# Altium PCB ZUM_Core_2.0.PcbDoc (part 2 of 2)
Units mm, origin at the board's own origin, x right, y up, seen from the top; angles counter-clockwise.
Board outline 70.83 x 53.34 mm, 2 copper layers (Top Layer, Bottom Layer), stack 1.55 mm thick; 130 components, 84 nets, 478 pads, 206 vias.
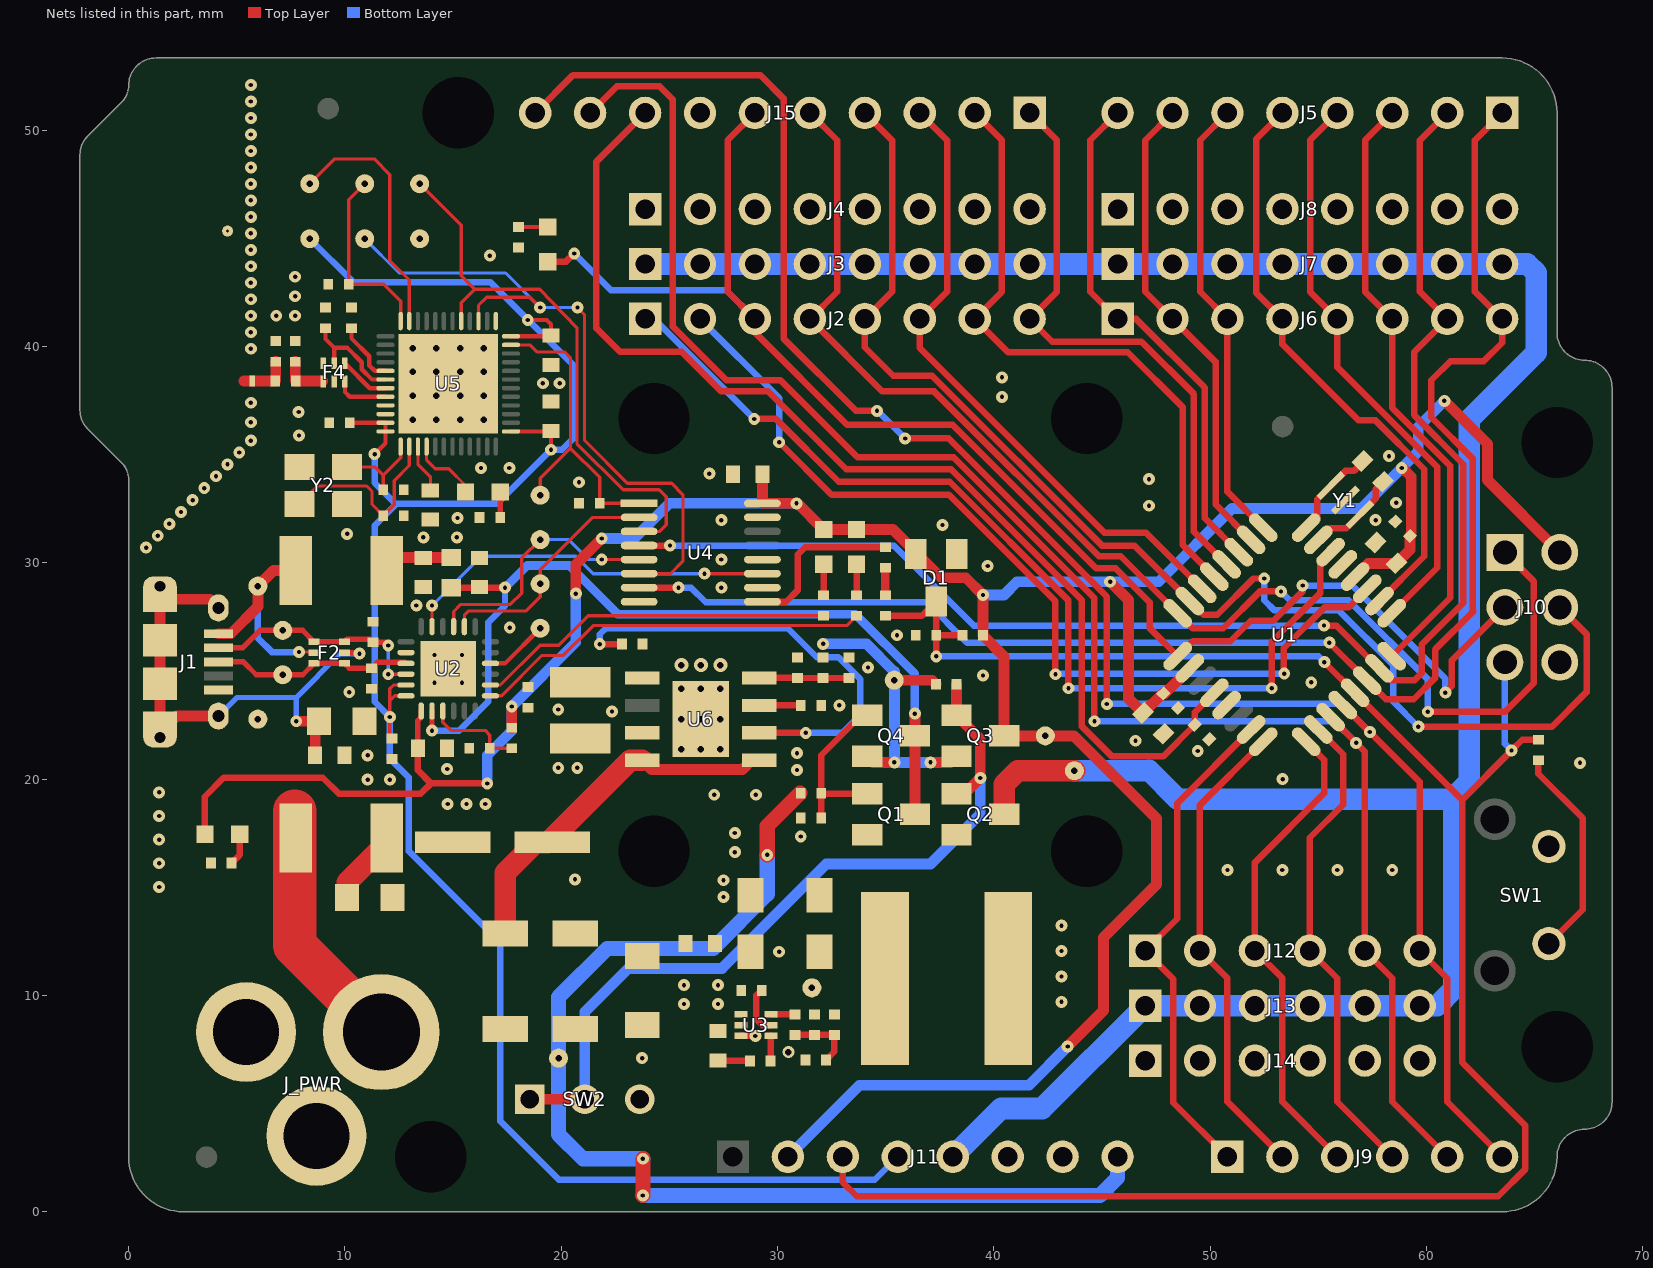
[diagram p2: the nets of this part, all layers, seen from the top]

## Part data
AE1: library part CMP-00336-2, "MIFA Antenna 2.45GHz", Description ES="Antena MIFA 2.45GHz"
C1 C2 C7 C8 C10 C17 C20 C21 C22 C26: library part CMP-00257-1, Capacitance=100nF, Dielectric=X7R, Manufacturer=Kemet, Manufacturer 2=AVX, Temp_ Max=125, Temp_ Min=-55, Tolerance=±10%, Voltage=50V, Description ES=Condensador, OrderingCode=C0603C104K5RAC, OrderingCode 2=06035C104KAT2A, Part Number=C0603_100nF_50V_±10%_X7R, Price units=EUR, SchLibComponentName=Capacitor
C3 C4 C5 C6 C9 C14: library part CMP-A0550-4, "C0402_2.2uF_16V_±20%_X5R", Capacitance=2,2µF, Dielectric=X5R, Manufacturer=TDK, Manufacturer 2="Taiyo Yuden", Part Number=C0402_2.2uF_16V_±10%, Temp_ Max=125, Temp_ Min=-55, Tolerance=±20%, Voltage=16V, AccessRights=2147483647, ComponentType=Capacitor, ContentType=Component, ContentTypeGUID=CB3C11C4-E317-11DF-B822-12313F0024A2, Description ES=Condensador, Folder="Components Library\Pasives\Capacitor_SMD\C0402_16V$\", FolderGUID=B1BE7916-43F7-4918-A273-F24409A7170B, ItemGUID=BD471B44-C1FF-4F80-85CC-AC0CC62DE9EE, ItemHRID=CMP-A0550, LifeCycle="New From Design", LifeCycleStateGUID=706004B5-C76E-482E-903B-BA0E4FAE086A, OrderingCode=C1005X5R1C225M050BC, OrderingCode 2=EMK105ABJ225MV-F, Price units=EUR, ReleaseDate="04/09/2017 08:02:11 AM", RevisionId=3, SchLibComponentName=Capacitor
C11 C12: library part CMP-A0572-2, Capacitance=47pF, Dielectric=C0G, Manufacturer=Kemet, Temp_ Max=125, Temp_ Min=-55, Tolerance=±10%, Voltage=16V, AccessRights=2147483647, ComponentType=Capacitor, ContentType=Component, ContentTypeGUID=CB3C11C4-E317-11DF-B822-12313F0024A2, Description ES=Condensador, Folder="Components Library\Pasives\Capacitor_SMD\C0402_16V$\", FolderGUID=B1BE7916-43F7-4918-A273-F24409A7170B, ItemGUID=BA17F97B-A8F2-4344-A89B-4AB43394B9E9, ItemHRID=CMP-A0572, LifeCycle="New From Design", LifeCycleStateGUID=706004B5-C76E-482E-903B-BA0E4FAE086A, OrderingCode=C0402C470K4GAC, Part Number=C0402_47pF_16V_±10%, Price units=EUR, ReleaseDate="19/02/2016 10:21:00 AM", RevisionId=1, SchLibComponentName=Capacitor
C13: library part CMP-00357-1, Capacitance=4,7nF, Dielectric=X7R, Manufacturer=Kemet, Manufacturer 2=Murata, Temp_ Max=125, Temp_ Min=-55, Tolerance=±10%, Voltage=250V, Description ES=Condensador, OrderingCode=C0805S472KARACTU, OrderingCode 2=GRM21AR72E472KW01D, Price units=EUR, SchLibComponentName=Capacitor
C15: library part CMP-A0371-1, Capacitance=1uF, Dielectric=X5R, Manufacturer=Kemet, Temp_ Max=125, Temp_ Min=-55, Tolerance=±10%, Voltage=25V, OrderingCode=C0603C105K3PAC, Part Number=C0603_1uF_25V_±10%, Price units=EUR, SchLibComponentName=Capacitor
C16 C27 C28: library part CMP-A0110-1, Capacitance=22uF, Dielectric=X5R, Manufacturer=Murata, Temp_ Max=85, Temp_ Min=-55, Tolerance=±10%, Voltage=25V, OrderingCode=GRM31CR61E226KE15L, Part Number=C1206_22uF_25V_±10%, Price units=EUR, SchLibComponentName=Capacitor
C18 C23: library part CMP-A0549-2, Capacitance=2,2nF, Dielectric=X7R, Manufacturer=Kemet, Temp_ Max=125, Temp_ Min=-55, Tolerance=±10%, Voltage=16V, AccessRights=2147483647, ComponentType=Capacitor, ContentType=Component, ContentTypeGUID=CB3C11C4-E317-11DF-B822-12313F0024A2, Description ES=Condensador, Folder="Components Library\Pasives\Capacitor_SMD\C0402_16V$\", FolderGUID=B1BE7916-43F7-4918-A273-F24409A7170B, ItemGUID=471CAD91-A991-4965-8D31-154961728350, ItemHRID=CMP-A0549, LifeCycle="New From Design", LifeCycleStateGUID=706004B5-C76E-482E-903B-BA0E4FAE086A, OrderingCode=C0402C222K4RAC, Part Number=C0402_2.2nF_16V_±10%, Price units=EUR, ReleaseDate="19/02/2016 10:20:28 AM", RevisionId=1, SchLibComponentName=Capacitor
C19: library part CMP-A0571-2, Capacitance=47nF, Dielectric=X7R, Manufacturer=Kemet, Temp_ Max=125, Temp_ Min=-55, Tolerance=±10%, Voltage=16V, AccessRights=2147483647, ComponentType=Capacitor, ContentType=Component, ContentTypeGUID=CB3C11C4-E317-11DF-B822-12313F0024A2, Description ES=Condensador, Folder="Components Library\Pasives\Capacitor_SMD\C0402_16V$\", FolderGUID=B1BE7916-43F7-4918-A273-F24409A7170B, ItemGUID=F44DF0E5-D5E0-4AC7-88A3-40CD5FCE7144, ItemHRID=CMP-A0571, LifeCycle="For Prototype", LifeCycleStateGUID=175FAE11-0700-4285-B1EB-BBB8F0F6EEBE, OrderingCode=C0402C473K4RAC, Part Number=C0402_47nF_16V_±10%, Price units=EUR, ReleaseDate="22/05/2017 04:17:24 PM", RevisionId=1, SchLibComponentName=Capacitor
C24 C25: library part CMP-A0540-2, Capacitance=12pF, Dielectric=C0G, Manufacturer=Kemet, Temp_ Max=125, Temp_ Min=-55, Tolerance=±10%, Voltage=16V, AccessRights=2147483647, ComponentType=Capacitor, ContentType=Component, ContentTypeGUID=CB3C11C4-E317-11DF-B822-12313F0024A2, Description ES=Condensador, Folder="Components Library\Pasives\Capacitor_SMD\C0402_16V$\", FolderGUID=B1BE7916-43F7-4918-A273-F24409A7170B, ItemGUID=BB1D80C7-7E3B-4A42-A51A-EC98606060E4, ItemHRID=CMP-A0540, LifeCycle="New From Design", LifeCycleStateGUID=706004B5-C76E-482E-903B-BA0E4FAE086A, OrderingCode=C0402C120K4GAC, Part Number=C0402_12pF_16V_±10%, Price units=EUR, ReleaseDate="19/02/2016 10:19:26 AM", RevisionId=1, SchLibComponentName=Capacitor
C29: library part CMP-A0549-1, Capacitance=2.2nF, Dielectric=X7R, Manufacturer=Kemet, Temp_ Max=125, Temp_ Min=-55, Tolerance=±10%, Voltage=16V, OrderingCode=C0402C222K4RAC, Part Number=C0402_2.2nF_16V_±10%, Price units=EUR, SchLibComponentName=Capacitor
C30: library part CMP-A2028-1, Capacitance=150uF, Manufacturer=Vishay, Temp_ Max=105, Temp_ Min=-55, Tolerance=±20%, Voltage=6V3, ESR=40m, OrderingCode=T55B157M6R3C0040, Part Number=150uF_6V3_±20%, Price units=EUR, SchLibComponentName=Tantalum
C31: library part CMP-A0618-1, Capacitance=100uF, Manufacturer=Panasonic, Temp_ Max=85, Temp_ Min=-40, Voltage=25V, OrderingCode=EEE-HA1E101XP, Part Number=Cap_Al_100uF_25V, Price units=EUR, SchLibComponentName=Electrolytic
C32: library part CMP-A0571-1, Capacitance=47nF, Dielectric=X7R, Manufacturer=Kemet, Temp_ Max=125, Temp_ Min=-55, Tolerance=±10%, Voltage=16V, OrderingCode=C0402C473K4RAC, Part Number=C0402_47nF_16V_±10%, Price units=EUR, SchLibComponentName=Capacitor
C33: library part CMP-A0475-1, Capacitance=100nF, Dielectric=X7R, Manufacturer=Kemet, Temp_ Max=125, Temp_ Min=-55, Tolerance=±10%, Voltage=6V3, OrderingCode=C0402C104K9RAC, Part Number=C0402_100nF_6V3_±10%, Price units=EUR, SchLibComponentName=Capacitor
C34: library part CMP-A0543-2, Capacitance=15pF, Dielectric=C0G, Manufacturer=Kemet, Part Number=C0402_15pF_16V_±10%, Temp_ Max=125, Temp_ Min=-55, Tolerance=±10%, Voltage=16V, Description ES=Condensador, OrderingCode=C0402C150K4GAC, Price units=EUR, SchLibComponentName=Capacitor
D1: library part CMP-A2299-1, "Schottky Diode", Manufacturer=NXP, Manufacturer 2=Vishay, Temp_Max=150, Temp_Min=-55, Description ES="Diodo Schottky", Ifor=200mA, Ifsm=600mA, OrderingCode=BAT54S, OrderingCode 2=BAT54S, Part Number=BAT54S, Price units=EUR, SchLibComponentName="Dual Schottky", Vf=0,8V, Vrrm=30V
D2 D6: library part CMP-A2309-1, "Schottky Diode", Manufacturer=NXP, Temp_Max=150, Temp_Min=-55, Description ES="Diodo Schottky", Ifor=3A, Ifsm=50A, OrderingCode=PMEG3030EP, Part Number=PMEG3030EP, Price units=EUR, SchLibComponentName=Schottky, Vf=0,36V, Vrrm=30V
D3 D4 TX: library part CMP-A2544-1, "LED", Manufacturer="Avago Technologies", Manufacturer 2="OSRAM Opto", Temp_ Max=85, Temp_ Min=-40, Description ES=LED, OrderingCode=HSMG-C190, OrderingCode 2="LG Q971-KN-1", Part Number=HSMG-C190, Price units=EUR, SchLibComponentName=LED
F1: library part CMP-A2427-2, "Resettable Fuses", Current=2.5A, Manufacturer="Bel Fuse", Manufacturer 2=Littelfuse, Manufacturer 3=Bourns, Part Number="FUSE 2.5A 16V", Temp_ Max=85, Temp_ Min=-40, Voltage=16V, Description ES="Fusible reseteable", OrderingCode=0ZCG0260BF2B, OrderingCode 2=MINISMDC260F/16-2, OrderingCode 3=MF-MSMF250/16X-2, Price units=EUR, SchLibComponentName=PTC_Fuse
F2: library part CMP-A2443-2, "TVS Diode Array", Manufacturer="Würth Elektronik", Manufacturer 2=Bourns, Temp_ Max=125, Temp_ Min=-40, Description ES="Array de diodos TVS", OrderingCode=82400152, OrderingCode 2=CDSOT563-0502, Part Number="USB ESD Single", Price units=EUR, SchLibComponentName=ESDUSB, Supplier="Würth Elektronik"
F3: library part CMP-A2421-1, "Resettable Fuses", Current=0.5A, Manufacturer=Bourns, Temp_ Max=85, Temp_ Min=-40, Voltage=15V, Description ES="Fusible reseteable", OrderingCode=MF-MSMF050-2, Part Number="FUSE 0.5A 15V", Price units=EUR, SchLibComponentName=PTC_Fuse
F4: library part CMP-00293-2, "2.45GHz Impedance Matched Balun + Band Pass Filter", Manufacturer=Johanson, Temp_ Max=105, Temp_ Min=-40, Description ES="2.45GHz Adaptación de impedancia y filtro pasa banda", OrderingCode=2450BM14E0003, Part Number=2450BM14E0003
FD1 FD2 FD3: library part CMP-A2525-2, "Fiducial", Description ES="Marca fiducial", Part Number="Fiducial 1mm", SchLibComponentName=Fiducial
GND P0.09 P0.11 SWDCLK SWDIO TP2 TP3 TP4 USB_RX USB_TX VCC VDC Vpp: library part CMP-A2499-3, "Testpoint 0.3mm", Manufacturer=Oxley, OrderingCode=SMOX/060/B1, Part Number=TP_POWER, Price units=EUR, SAP=303552, SchLibComponentName=Testpoint
J1: library part CMP-A2224-4, Manufacturer=FCI, Temp_ Max=105, Temp_ Min=-40, Description ES=Conector, OrderingCode=10118194-0001LF, Part Number="Micro USB Type B W/ Rear Pegs", Price units=EUR, SchLibComponentName=USB_Micro_Type_B
J2: library part CMP-A2144-1, "Connector", Manufacturer=Samtec, Temp_ Max=105, Temp_ Min=-55, Description ES=Conector, OrderingCode=TSW-108-07-T-S-NATURAL, Part Number="CON_PH_THT2.54_8 Natural", Pitch=2.54mm, Price units=EUR, SchLibComponentName="1x8 pin Header 2.54mm"
J3: library part CMP-A2145-1, "Connector", Manufacturer=Samtec, Temp_ Max=105, Temp_ Min=-55, Description ES=Conector, OrderingCode=TSW-108-07-T-S-RED, Part Number="CON_PH_THT2.54_8 Red", Pitch=2.54mm, Price units=EUR, SchLibComponentName="1x8 pin Header 2.54mm"
J4: library part CMP-A2142-1, "Connector", Manufacturer=Samtec, Manufacturer 2="Würth Elektronik", Temp_ Max=105, Temp_ Min=-55, Description ES=Conector, OrderingCode=TSW-108-07-T-S, OrderingCode 2="613 008 111 21", Part Number=CON_PH_THT2.54_8, Pitch=2.54mm, Price units=EUR, SchLibComponentName="1x8 pin Header 2.54mm"
J5 J11: library part CMP-A2195-1, "Connector", Manufacturer=Samtec, Manufacturer 2="Würth Elektronik", Temp_ Max=125, Temp_ Min=-40, Description ES=Conector, OrderingCode=SSW-108-01-T-S, OrderingCode 2="613 008 118 21", Part Number=CON_SH_THT2.54_8, Pitch=2.54mm, Price units=EUR, SchLibComponentName="1x8 Socket Header 2.54mm"
J6: library part CMP-00382-1, "Connector", Manufacturer=Samtec, Temp_ Max=105, Temp_ Min=-55, Description ES=Conector, OrderingCode=TSW-106-07-T-S-NATURAL, Part Number="CON_PH_THT2.54_6 Natural", Pitch=2.54mm, Price units=EUR, SchLibComponentName="1x6 pin Header 2.54mm"
J7: library part CMP-00380-2, "Connector", Manufacturer=Samtec, Temp_ Max=105, Temp_ Min=-55, Description ES=Conector, OrderingCode=TSW-106-07-T-S-RED, Part Number="CON_PH_THT2.54_6 Red", Pitch=2.54mm, Price units=EUR, SchLibComponentName="1x6 pin Header 2.54mm"
J8: library part CMP-00381-1, "Connector", Manufacturer=Samtec, Manufacturer 2="Würth Elektronik", Temp_ Max=105, Temp_ Min=-55, Description ES=Conector, OrderingCode=TSW-106-07-T-S, OrderingCode 2="613 006 111 21", Part Number=CON_PH_THT2.54_6, Pitch=2.54mm, Price units=EUR, SchLibComponentName="1x6 pin Header 2.54mm"
J9: library part CMP-A2194-1, "Connector", Manufacturer=Samtec, Manufacturer 2="Würth Elektronik", Temp_ Max=125, Temp_ Min=-40, Description ES=Conector, OrderingCode=SSW-106-01-T-S, OrderingCode 2="613 006 118 21", Part Number=CON_SH_THT2.54_6, Pitch=2.54mm, Price units=EUR, SchLibComponentName="1x6 Socket Header 2.54mm"
J10: library part CMP-A2163-1, "Connector", Manufacturer=Samtec, Manufacturer 2="Würth Elektronik", Temp_ Max=125, Temp_ Min=-40, Description ES=Conector, OrderingCode=TSW-103-07-T-D, OrderingCode 2="613 006 211 21", Part Number=CON_DPH_THT2.54_6, Pitch=2.54mm, Price units=EUR, SchLibComponentName="2x3 pin Header 2.54mm"
J12: library part CMP-A2139-1, "Connector", Manufacturer=Samtec, Temp_ Max=105, Temp_ Min=-55, Description ES=Conector, OrderingCode=TSW-106-07-T-S-BLUE, Part Number="CON_PH_THT2.54_6 Blue", Pitch=2.54mm, Price units=EUR, SchLibComponentName="1x6 pin Header 2.54mm"
J13: library part CMP-A2141-1, "Connector", Manufacturer=Samtec, Temp_ Max=105, Temp_ Min=-55, Description ES=Conector, OrderingCode=TSW-106-07-T-S-RED, Part Number="CON_PH_THT2.54_6 Red", Pitch=2.54mm, Price units=EUR, SchLibComponentName="1x6 pin Header 2.54mm"
J14: library part CMP-A2138-1, "Connector", Manufacturer=Samtec, Manufacturer 2="Würth Elektronik", Temp_ Max=105, Temp_ Min=-55, Description ES=Conector, OrderingCode=TSW-106-07-T-S, OrderingCode 2="613 006 111 21", Part Number=CON_PH_THT2.54_6, Pitch=2.54mm, Price units=EUR, SchLibComponentName="1x6 pin Header 2.54mm"
J15: library part CMP-A2189-1, "Connector", Manufacturer=Samtec, Manufacturer 2="Würth Elektronik", Temp_ Max=125, Temp_ Min=-40, Description ES=Conector, OrderingCode=SSW-110-01-T-S, OrderingCode 2="613 010 118 21", Part Number=CON_SH_THT2.54_10, Pitch=2.54mm, Price units=EUR, SchLibComponentName="1x10 Socket Header 2.54mm"
J_PWR: library part CMP-A2063-2, "Connector", Manufacturer=Kycon, Manufacturer 2=Switchcraft, Description ES=Conector, Idc=5A, OrderingCode=KLDHCX0202A, OrderingCode 2=RAPC722X, Part Number="DC Power Jack", Price units=EUR, SchLibComponentName=Power_Jack
L1: library part CMP-A0708-2, Current=3000mA, Manufacturer=Murata, Resistance_100MHz=120R, Resistance_DC=0,025R, Temp_ Max=125, Temp_ Min=-55, Description ES=Ferrita, OrderingCode=BLM18SG121TN1D, Part Number=L0603_120R_0,025R_3000mA, Price units=EUR, SchLibComponentName="Ferrite Bead"
L2: library part CMP-A0714-1, Current=4000mA, Manufacturer="Würth Elektronik", Resistance_100MHz=33R, Resistance_DC=0,008R, Temp_ Max=125, Temp_ Min=-55, OrderingCode=742792012, Part Number=L0805_33R_0,008R_4000mA, Price units=EUR, SchLibComponentName="Ferrite Bead"
L3: library part CMP-A0670-2, "Semi-shielded power inductor", Current=6,3A, Current Sat#=7,3A, Current Sat.=7,4A, Manufacturer=Bourns, Temp_ Max=105, Temp_ Min=-40, AccessRights=2147483647, ContentType=Component, ContentTypeGUID=CB3C11C4-E317-11DF-B822-12313F0024A2, Description ES=Bobina, Folder="Components Library\Pasives\Inductor_SMD\Power Inductor$\", FolderGUID=60894C29-593F-4616-8F9E-CDB5863F0F96, ItemGUID=EAB2D04B-E49E-443A-801C-32E206E8EAE6, ItemHRID=CMP-A0670, L=2,2µH, LifeCycle="New From Design", LifeCycleStateGUID=706004B5-C76E-482E-903B-BA0E4FAE086A, OrderingCode=SRN8040-2R2Y, Part Number=2,2uH_6,3A, Price units=EUR, Rdc=0,013R, ReleaseDate="19/02/2016 11:18:53 AM", RevisionId=1, SchLibComponentName=Inductor
LD4: library part CMP-A2557-1, "LED", Manufacturer=Lite-On, Manufacturer 2="Avago Technologies", Temp_ Max=80, Temp_ Min=-20, Description ES=LED, OrderingCode=LTST-C194TBKT, OrderingCode 2=HSMN-C120, Part Number=LTST-C194TBKT, Price units=EUR, SchLibComponentName=LED
Q1 Q2 Q3 Q4: library part CMP-A2378-1, "P-MOSFET transistor", Manufacturer="Diodes Incorporated", Temp_ Max=150, Temp_ Min=-55, Description ES="Transistor MOSFET de canal P", Id=3,6A, OrderingCode=DMP2035U-7, Part Number=DMP2035U, Price units=EUR, SchLibComponentName=Mosfet_P, Vds=20V, Vgss=8V
R1 R7: library part CMP-A1358-3, Manufacturer=Vishay, Power=0.1W, Resistance=1M, Temp_ Max=155, Temp_ Min=-55, Tolerance=±5%, Description ES=Resistencia, OrderingCode=CRCW06031M00JN, PackageDescription=SMD, Part Number=R0603_1M_0.1W_±5%, Price units=EUR, SchLibComponentName=Resistor
R2 R4 R5 R15 R26: library part CMP-A1718-3, Manufacturer=Vishay, Power=0.063W, Resistance=1k, Temp_ Max=155, Temp_ Min=-55, Tolerance=±5%, Description ES=Resistencia, OrderingCode=CRCW04021K00JN, PackageDescription=SMD, Part Number=R0402_1k_0.063W_±5%, Price units=EUR, SchLibComponentName=Resistor
  R26: Price=0,003, Supplier=Abacus, Variant=(DNP)
R3: library part CMP-A1838-2, Manufacturer=Vishay, Manufacturer 2=Yageo, Power=0.063W, Resistance=10R, Temp_ Max=155, Temp_Max=155°C, Temp_ Min=-55, Temp_Min=-55°C, Tolerance=±1%, Description ES=Resistencia, OrderingCode=CRCW040210R0FK, OrderingCode 2=RC0402FR-0710RL, PackageDescription=SMD, Part Number=R0402_10R_0.063W_±1%, Price units=EUR, SchLibComponentName=Resistor
R6: library part CMP-A1835-2, Manufacturer=Vishay, Power=0.063W, Resistance=100k, Temp_ Max=155, Temp_ Min=-55, Tolerance=±1%, Description ES=Resistencia, OrderingCode=CRCW0402100KFK, PackageDescription=SMD, Part Number=R0402_100k_0.063W_±1%, Price units=EUR, SchLibComponentName=Resistor
R8 R18 R20 R23: library part CMP-A1762-2, Manufacturer=Vishay, Power=0.063W, Resistance=330R, Temp_ Max=155, Temp_ Min=-55, Tolerance=±5%, Description ES=Resistencia, OrderingCode=CRCW0402330RJN, PackageDescription=SMD, Part Number=R0402_330R_0.063W_±5%, Price units=EUR, SchLibComponentName=Resistor
R9 R14 R22: library part CMP-A1961-1, Manufacturer=Vishay, Power=0.063W, Resistance=52,3k, Temp_ Max=155, Temp_ Min=-55, Tolerance=±1%, OrderingCode=CRCW040252K3FK, PackageDescription=SMD, Part Number=R0402_52,3k_0.063W_±1%, Price units=EUR, SchLibComponentName=Resistor
R10 R17 R25: library part CMP-A1692-4, Manufacturer=Vishay, Manufacturer 2=Yageo, Power=0.063W, Resistance=10k, Temp_ Max=155, Temp_Max=155°C, Temp_ Min=-55, Temp_Min=-55°C, Tolerance=±5%, Description ES=Resistencia, OrderingCode=CRCW040210K0JN, OrderingCode 2=RC0402JR-0710KL, PackageDescription=SMD, Part Number=R0402_10k_0.063W_±5%, Price units=EUR, SchLibComponentName=Resistor
R11 R19: library part CMP-A1835-1, Manufacturer=Vishay, Power=0.063W, Resistance=100k, Temp_ Max=155, Temp_ Min=-55, Tolerance=±1%, OrderingCode=CRCW0402100KFK, PackageDescription=SMD, Part Number=R0402_100k_0.063W_±1%, Price units=EUR, SchLibComponentName=Resistor
R12: library part CMP-A1736-5, Manufacturer=Vishay, Power=0.063W, Resistance=20R, Temp_ Max=155, Temp_ Min=-55, Tolerance=±5%, Description ES=Resistencia, OrderingCode=CRCW040220R0JN, PackageDescription=SMD, Part Number=R0402_20R_0.063W_±5%, Price units=EUR, SchLibComponentName=Resistor
R13: library part CMP-A1985-2, Manufacturer=Vishay, Manufacturer 2=Yageo, Power=0.063W, Resistance=75k, Temp_ Max=155, Temp_Max=155°C, Temp_ Min=-55, Temp_Min=-55°C, Tolerance=±1%, Description ES=Resistencia, OrderingCode=CRCW040275K0FK, OrderingCode 2=RC0402FR-0775KL, PackageDescription=SMD, Part Number=R0402_75k_0.063W_±1%, Price units=EUR, SchLibComponentName=Resistor
R16: library part CMP-A1992-3, Manufacturer=Vishay, Manufacturer 2=Yageo, Power=0.063W, Resistance=82k, Temp_ Max=155, Temp_ Min=-55, Tolerance=±1%, Description ES=Resistencia, OrderingCode=CRCW040282K0FK, OrderingCode 2=RC0402FR-0782KL, PackageDescription=SMD, Part Number=R0402_82k_0.063W_±1%, Price units=EUR, SchLibComponentName=Resistor
R24: library part CMP-A1912-2, Manufacturer=Vishay, Power=0.063W, Resistance=30k, Temp_ Max=155, Temp_ Min=-55, Tolerance=±1%, Description ES=Resistencia, OrderingCode=CRCW040230K0FK, PackageDescription=SMD, Part Number=R0402_30k_0.063W_±1%, Price units=EUR, SchLibComponentName=Resistor
RX: library part CMP-A2546-1, "LED", Manufacturer="Avago Technologies", Manufacturer 2="OSRAM Opto", Temp_ Max=85, Temp_ Min=-40, Description ES=LED, OrderingCode=HSMH-C190, OrderingCode 2="LS Q976-NR-1", Part Number=HSMH-C190, Price units=EUR, SchLibComponentName=LED
SW1: library part CMP-A2468-2, "Switch", Manufacturer="C&K Components", Temp_ Max=60, Temp_ Min=-20, Description ES=Pulsador, OrderingCode="PTS645VL39-2 LFS", Part Number="SW Vertical THT", Price units=EUR, SchLibComponentName=Switch
SW2: library part CMP-A2473-1, "Switch", Manufacturer="Würth Elektronik", Manufacturer 2=Knitter-Switch, Temp_ Max=85, Temp_ Min=-40, Description ES="Micro interruptor", OrderingCode="450 302 014 072", OrderingCode 2=MMP1010D-RA, Part Number="Switch SPDT", Price units=EUR, SchLibComponentName="SPDT Switch", Supplier=Würth
TP1 TP5 TP6 TP7 TP8 TP9: library part CMP-A2499-3, "Testpoint 0.3mm", Manufacturer=Oxley, Part Number=TP_POWER, OrderingCode=SMOX/060/B1, Price units=EUR, SAP=303552, SchLibComponentName=Testpoint
U1: library part CMP-00141-3, "8-bit Microcontrollers - MCU 32KB In-system Flash 20MHz 1.8V-5.5V", Manufacturer=Atmel, Temp_ Max=85, Temp_ Min=-40, Description ES="Microcontrolador 8 bits; 32kB de memoria", OrderingCode=ATMEGA328PB-AU, Part Number=ATMEGA328PB, Price units=EUR, SchLibComponentName=ATMEGA328PB
U2: library part CMP-A2587-1, "USB to UART Bridge", Manufacturer="Silicon Labs", Temp_ Max=85, Temp_ Min=-40, Description ES="Interfaz USB a UART", OrderingCode=CP2104-F03-GMR, Part Number=CP2104, Price units=EUR, SchLibComponentName=CP2104, Supplier cod=AC1190
U3: library part CMP-00385-3, "DCDC Step Down Vout= 1-5V; Vin= 12-17V", Manufacturer=MPS, Part Number=MP1477GTF-Z, Temp_Max=125, Temp_Min=-40, Description ES="Regulador de voltaje", OrderingCode=MP1477GTF-Z, Price units=EUR
U4: library part CMP-A2334-1, "Multiplexer", Manufacturer="Texas Instruments", Temp_ Max=85, Temp_ Min=-40, Description ES=Multiplexador, OrderingCode=SN74CBT3257CPWR, Part Number=SN74CBT3257CP, Price units=EUR, SchLibComponentName=SN74CBT3257
U5: library part CMP-00292-1, "Multiprotocol Bluetooth® low energy/2.4 GHz RF System on Chip", Manufacturer=Nordic, Temp_ Max=75, Temp_ Min=-25, Description ES="Bluetooth low energy SoC", OrderingCode=NRF51822-QFAB-T, Part Number=nRF51822, Price units=€
U6: library part CMP-00392-2, "LDO Vin: 3-40V Vout: 1.2-15V @300mA", Manufacturer="Monolithic Power Systems", Temp_Max=150, Temp_Min=-40, Description ES="LDO Vin: 3-40V Vout: 1.2-15V @300mA", OrderingCode=MP2019GN-Z, Part Number=MP2019GN-Z, Price units=10000, SchLibComponentName=MP2019
Y1: library part CMP-A2241-2, "Resonator 16MHz", Manufacturer=Murata, Temp_Max=80, Temp_Min=-20, Description ES="Resonador 16MHz", Manufacturer 2=Murata, OrderingCode=CSTCE16M0V53-R0, OrderingCode 2=CSTNE16M0V530000R0, Part Number=CSTCE16M0V53-R0, Price units=EUR, SchLibComponentName="Resonator 3 pin"
Y2: library part CMP-A2261-2, Load Capacitance=10pF, Manufacturer=Abracon, Manufacturer 2=TXC, Manufacturer 3=CTS, Part Number="ABM8G 16MHz", Temp_Max=70, Temp_Min=-20, Tolerance=±30ppm, AccessRights=2147483647, ContentType=Component, ContentTypeGUID=CB3C11C4-E317-11DF-B822-12313F0024A2, Description ES="Cristal 16 MHz", Folder="Components Library\Frequency\Cristales$\", FolderGUID=AC2325A2-8D03-4A7D-BE26-CA1CD14B1620, ItemGUID=988C2C72-01AC-4FA2-9690-D37CC5024304, ItemHRID=CMP-A2261, LifeCycle="New From Design", LifeCycleStateGUID=706004B5-C76E-482E-903B-BA0E4FAE086A, OrderingCode=ABM8G-16.000MHZ-B4Y-T, OrderingCode 2=7V-16.000MAHQ-T, OrderingCode 3=403C35A16M00000, Price units=EUR, ReleaseDate="24/02/2016 11:38:51 AM", RevisionId=1, SchLibComponentName="Crystal 4 pin"
Zp1 Zp2 Zs: library part CMP-A1689-4, Manufacturer=Panasonic, Manufacturer 2=Yageo, Manufacturer 3=Vishay, Power=0.063W, Resistance=0R, Temp_ Max=155, Temp_ Min=-55, Tolerance=±5%, Description ES=Resistencia, OrderingCode=ERJ-2GE0R00X, OrderingCode 2=RC0402FR-070RL, OrderingCode 3=CRCW04020000Z0, PackageDescription=SMD, Part Number=R0402_0R_0.063W_±5%, Price units=EUR, SchLibComponentName=Resistor
  Zp1: Variant=(DNP)
  Zp2: Supplier=Abacus, Variant=(DNP)

## Free pads (board coordinates)
  round 0 hole 3.3 unplated: ""(13.97,2.54) ""(15.24,50.8) ""(24.29,16.67) ""(24.29,36.67) ""(44.29,16.67) ""(44.29,36.67) ""(66.04,7.62) ""(66.04,35.56)

## Via types
v1: diameter 0.55, hole 0.2, Top Layer to Bottom Layer, 177 vias
v2: diameter 0.65, hole 0.3, Top Layer to Bottom Layer, 28 vias
v3: diameter 0.55, hole 0.3, Top Layer to Bottom Layer, 1 vias
